# Altium PCB 4G_V4.0_5X4.PcbDoc (part 4 of 4)
Units mm, origin at the board's own origin, x right, y up, seen from the top; angles counter-clockwise.
Board outline 189.75 x 201.25 mm, 2 copper layers (Top Layer, Bottom Layer); 760 components, 0 nets, 5752 pads, 780 vias.
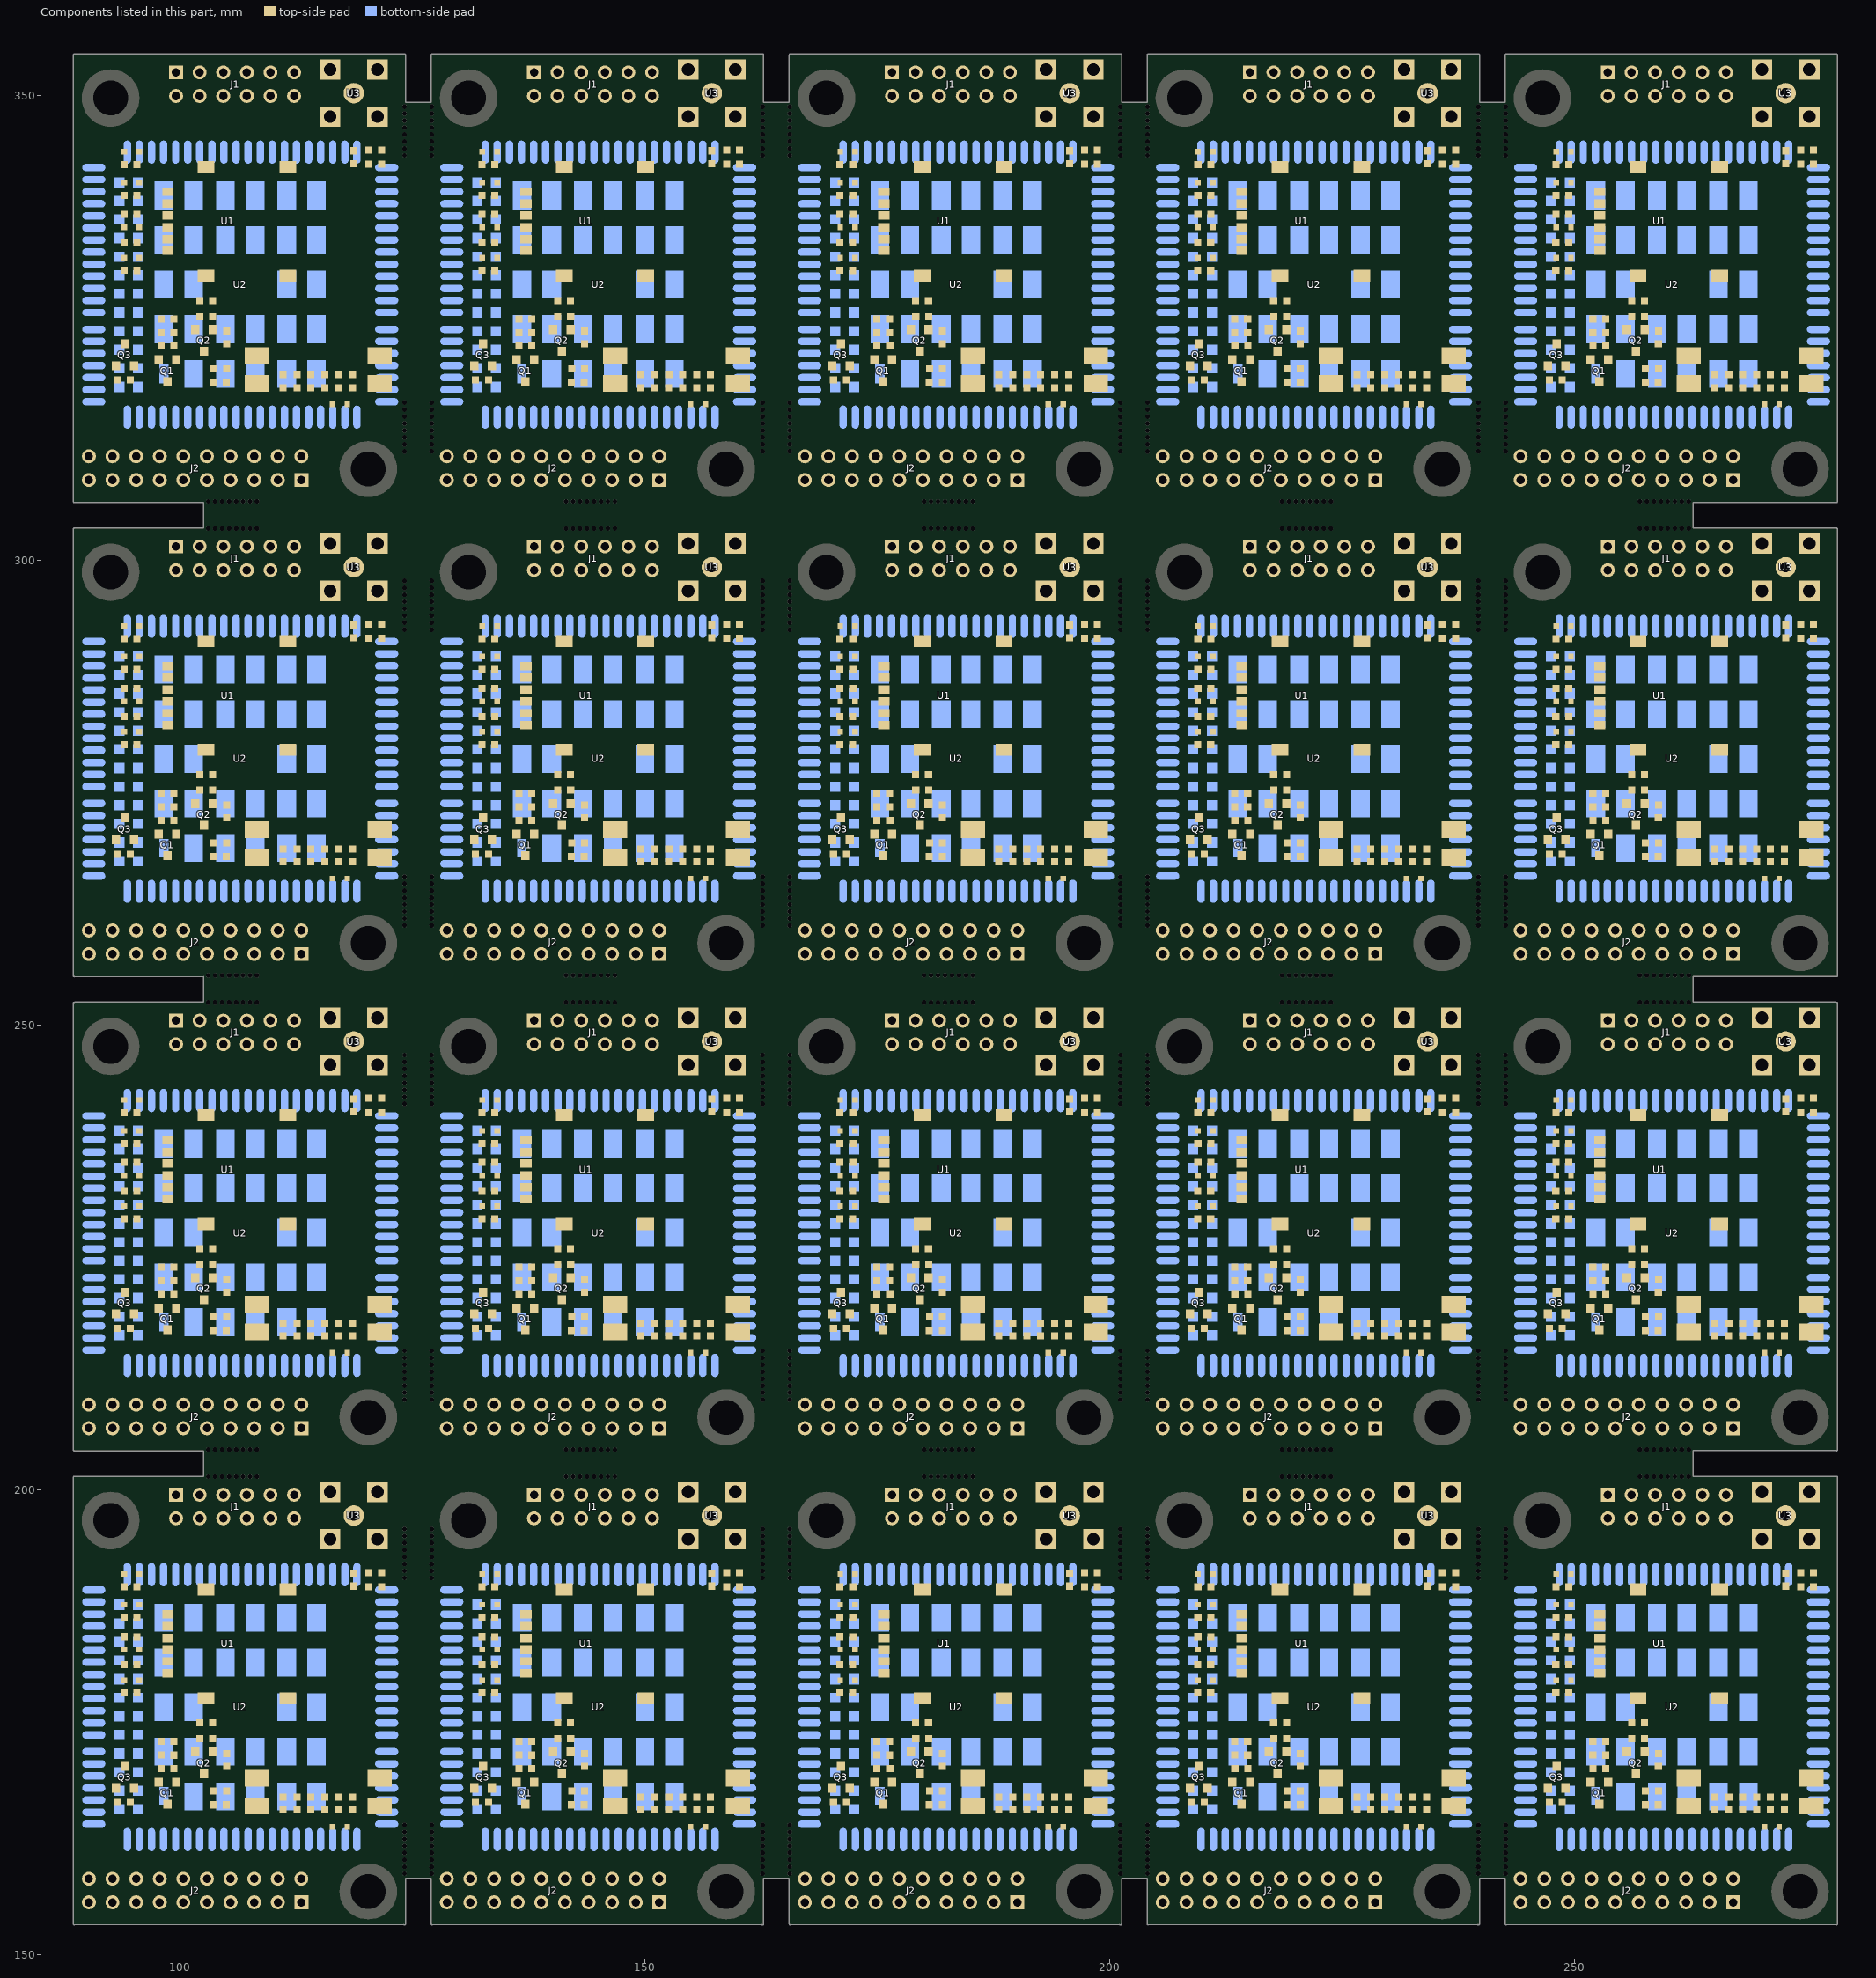
[diagram p4: the components of this part, seen from the top]

## Via types
v1: diameter 0.5, hole 0.3, Top Layer to Bottom Layer, tented both sides, 720 vias
v2: diameter 0.9, hole 0.7, Top Layer to Bottom Layer, tented both sides, 40 vias
v3: diameter 0.7, hole 0.5, Top Layer to Bottom Layer, tented both sides, 20 vias

## Nets (pads, with @x,y where several pads share a name; then routed paths per layer and width w, separated by ;. In a path a pad name is that pad's centre, name@x,y a point inside that pad or via, vN(x,y) a via of type N, cw(c..) or ccw(c..) an arc to the next point about the centre after c; other vN are vias at no path point) (continued)
copper on no net: (continued)
  Top Layer w0.7: 104.981,170.249 105.033,170.197 105.033,167.569 105.922,167.569 107.522,165.969 108.31,165.969 108.741,165.537 111.104,165.537 112.602,165.537 114.101,165.537 115.599,165.537 117.098,165.537 118.597,165.537 121.086,165.537 121.518,165.969 ; 104.981,221.249 105.033,221.197 105.033,218.569 105.922,218.569 107.522,216.969 108.31,216.969 108.741,216.537 111.104,216.537 112.602,216.537 114.101,216.537 115.599,216.537 117.098,216.537 118.597,216.537 121.086,216.537 121.518,216.969 ; 104.981,272.249 105.033,272.197 105.033,269.569 105.922,269.569 107.522,267.969 108.31,267.969 108.741,267.537 111.104,267.537 112.602,267.537 114.101,267.537 115.599,267.537 117.098,267.537 118.597,267.537 121.086,267.537 121.518,267.969 ; 104.981,323.249 105.033,323.197 105.033,320.569 105.922,320.569 107.522,318.969 108.31,318.969 108.741,318.537 111.104,318.537 112.602,318.537 114.101,318.537 115.599,318.537 117.098,318.537 118.597,318.537 121.086,318.537 121.518,318.969 ; 113.085,155.606 110.545,155.606 110.545,158.146 113.085,158.146 113.856,158.917 v2(113.856,164.201) ; 113.085,206.606 110.545,206.606 110.545,209.146 113.085,209.146 113.856,209.917 v2(113.856,215.201) ; 113.085,257.606 110.545,257.606 110.545,260.146 113.085,260.146 113.856,260.917 v2(113.856,266.201) ; 113.085,308.606 110.545,308.606 110.545,311.146 113.085,311.146 113.856,311.917 v2(113.856,317.201) ; v2(115.156,164.203) 115.625,163.734 116.425,163.734 ; v2(115.156,215.203) 115.625,214.734 116.425,214.734 ; v2(115.156,266.203) 115.625,265.734 116.425,265.734 ; v2(115.156,317.203) 115.625,316.734 116.425,316.734 ; 143.481,170.249 143.533,170.197 143.533,167.569 144.422,167.569 146.022,165.969 146.81,165.969 147.241,165.537 149.604,165.537 151.102,165.537 152.601,165.537 154.099,165.537 155.598,165.537 157.097,165.537 159.586,165.537 160.018,165.969 ; 143.481,221.249 143.533,221.197 143.533,218.569 144.422,218.569 146.022,216.969 146.81,216.969 147.241,216.537 149.604,216.537 151.102,216.537 152.601,216.537 154.099,216.537 155.598,216.537 157.097,216.537 159.586,216.537 160.018,216.969 ; 143.481,272.249 143.533,272.197 143.533,269.569 144.422,269.569 146.022,267.969 146.81,267.969 147.241,267.537 149.604,267.537 151.102,267.537 152.601,267.537 154.099,267.537 155.598,267.537 157.097,267.537 159.586,267.537 160.018,267.969 ; 143.481,323.249 143.533,323.197 143.533,320.569 144.422,320.569 146.022,318.969 146.81,318.969 147.241,318.537 149.604,318.537 151.102,318.537 152.601,318.537 154.099,318.537 155.598,318.537 157.097,318.537 159.586,318.537 160.018,318.969 ; 151.585,155.606 149.045,155.606 149.045,158.146 151.585,158.146 152.356,158.917 v2(152.356,164.201) ; 151.585,206.606 149.045,206.606 149.045,209.146 151.585,209.146 152.356,209.917 v2(152.356,215.201) ; 151.585,257.606 149.045,257.606 149.045,260.146 151.585,260.146 152.356,260.917 v2(152.356,266.201) ; 151.585,308.606 149.045,308.606 149.045,311.146 151.585,311.146 152.356,311.917 v2(152.356,317.201) ; v2(153.656,164.203) 154.125,163.734 154.925,163.734 ; v2(153.656,215.203) 154.125,214.734 154.925,214.734 ; v2(153.656,266.203) 154.125,265.734 154.925,265.734 ; v2(153.656,317.203) 154.125,316.734 154.925,316.734 ; 181.981,170.249 182.033,170.197 182.033,167.569 182.922,167.569 184.522,165.969 185.31,165.969 185.741,165.537 188.104,165.537 189.602,165.537 191.101,165.537 192.599,165.537 194.098,165.537 195.597,165.537 198.086,165.537 198.518,165.969 ; 181.981,221.249 182.033,221.197 182.033,218.569 182.922,218.569 184.522,216.969 185.31,216.969 185.741,216.537 188.104,216.537 189.602,216.537 191.101,216.537 192.599,216.537 194.098,216.537 195.597,216.537 198.086,216.537 198.518,216.969 ; 181.981,272.249 182.033,272.197 182.033,269.569 182.922,269.569 184.522,267.969 185.31,267.969 185.741,267.537 188.104,267.537 189.602,267.537 191.101,267.537 192.599,267.537 194.098,267.537 195.597,267.537 198.086,267.537 198.518,267.969 ; 181.981,323.249 182.033,323.197 182.033,320.569 182.922,320.569 184.522,318.969 185.31,318.969 185.741,318.537 188.104,318.537 189.602,318.537 191.101,318.537 192.599,318.537 194.098,318.537 195.597,318.537 198.086,318.537 198.518,318.969 ; 190.085,155.606 187.545,155.606 187.545,158.146 190.085,158.146 190.856,158.917 v2(190.856,164.201) ; 190.085,206.606 187.545,206.606 187.545,209.146 190.085,209.146 190.856,209.917 v2(190.856,215.201) ; 190.085,257.606 187.545,257.606 187.545,260.146 190.085,260.146 190.856,260.917 v2(190.856,266.201) ; 190.085,308.606 187.545,308.606 187.545,311.146 190.085,311.146 190.856,311.917 v2(190.856,317.201) ; v2(192.156,164.203) 192.625,163.734 193.425,163.734 ; v2(192.156,215.203) 192.625,214.734 193.425,214.734 ; v2(192.156,266.203) 192.625,265.734 193.425,265.734 ; v2(192.156,317.203) 192.625,316.734 193.425,316.734 ; 220.481,170.249 220.533,170.197 220.533,167.569 221.422,167.569 223.022,165.969 223.81,165.969 224.241,165.537 226.604,165.537 228.102,165.537 229.601,165.537 231.099,165.537 232.598,165.537 234.097,165.537 236.586,165.537 237.018,165.969 ; 220.481,221.249 220.533,221.197 220.533,218.569 221.422,218.569 223.022,216.969 223.81,216.969 224.241,216.537 226.604,216.537 228.102,216.537 229.601,216.537 231.099,216.537 232.598,216.537 234.097,216.537 236.586,216.537 237.018,216.969 ; 220.481,272.249 220.533,272.197 220.533,269.569 221.422,269.569 223.022,267.969 223.81,267.969 224.241,267.537 226.604,267.537 228.102,267.537 229.601,267.537 231.099,267.537 232.598,267.537 234.097,267.537 236.586,267.537 237.018,267.969 ; 220.481,323.249 220.533,323.197 220.533,320.569 221.422,320.569 223.022,318.969 223.81,318.969 224.241,318.537 226.604,318.537 228.102,318.537 229.601,318.537 231.099,318.537 232.598,318.537 234.097,318.537 236.586,318.537 237.018,318.969 ; 228.585,155.606 226.045,155.606 226.045,158.146 228.585,158.146 229.356,158.917 v2(229.356,164.201) ; 228.585,206.606 226.045,206.606 226.045,209.146 228.585,209.146 229.356,209.917 v2(229.356,215.201) ; 228.585,257.606 226.045,257.606 226.045,260.146 228.585,260.146 229.356,260.917 v2(229.356,266.201) ; 228.585,308.606 226.045,308.606 226.045,311.146 228.585,311.146 229.356,311.917 v2(229.356,317.201) ; v2(230.656,164.203) 231.125,163.734 231.925,163.734 ; v2(230.656,215.203) 231.125,214.734 231.925,214.734 ; v2(230.656,266.203) 231.125,265.734 231.925,265.734 ; v2(230.656,317.203) 231.125,316.734 231.925,316.734 ; 258.981,170.249 259.033,170.197 259.033,167.569 259.922,167.569 261.522,165.969 262.31,165.969 262.741,165.537 265.104,165.537 266.602,165.537 268.101,165.537 269.599,165.537 271.098,165.537 272.597,165.537 275.086,165.537 275.518,165.969 ; 258.981,221.249 259.033,221.197 259.033,218.569 259.922,218.569 261.522,216.969 262.31,216.969 262.741,216.537 265.104,216.537 266.602,216.537 268.101,216.537 269.599,216.537 271.098,216.537 272.597,216.537 275.086,216.537 275.518,216.969 ; 258.981,272.249 259.033,272.197 259.033,269.569 259.922,269.569 261.522,267.969 262.31,267.969 262.741,267.537 265.104,267.537 266.602,267.537 268.101,267.537 269.599,267.537 271.098,267.537 272.597,267.537 275.086,267.537 275.518,267.969 ; 258.981,323.249 259.033,323.197 259.033,320.569 259.922,320.569 261.522,318.969 262.31,318.969 262.741,318.537 265.104,318.537 266.602,318.537 268.101,318.537 269.599,318.537 271.098,318.537 272.597,318.537 275.086,318.537 275.518,318.969 ; 267.085,155.606 264.545,155.606 264.545,158.146 267.085,158.146 267.856,158.917 v2(267.856,164.201) ; 267.085,206.606 264.545,206.606 264.545,209.146 267.085,209.146 267.856,209.917 v2(267.856,215.201) ; 267.085,257.606 264.545,257.606 264.545,260.146 267.085,260.146 267.856,260.917 v2(267.856,266.201) ; 267.085,308.606 264.545,308.606 264.545,311.146 267.085,311.146 267.856,311.917 v2(267.856,317.201) ; v2(269.156,164.203) 269.625,163.734 270.425,163.734 ; v2(269.156,215.203) 269.625,214.734 270.425,214.734 ; v2(269.156,266.203) 269.625,265.734 270.425,265.734 ; v2(269.156,317.203) 269.625,316.734 270.425,316.734
  Bottom Layer w0.254: 90.756,178.812 91.815,178.812 v1(92.333,179.33) ; 90.756,184.012 91.664,184.012 v1(92.282,183.394) ; 90.756,185.312 91.761,185.312 v1(92.384,184.689) ; 90.756,186.612 v1(92.402,186.612) ; 90.756,187.912 91.746,187.912 v1(92.866,189.032) ; 90.756,229.812 91.815,229.812 v1(92.333,230.33) ; 90.756,235.012 91.664,235.012 v1(92.282,234.394) ; 90.756,236.312 91.761,236.312 v1(92.384,235.689) ; 90.756,237.612 v1(92.402,237.612) ; 90.756,238.912 91.746,238.912 v1(92.866,240.032) ; 90.756,280.812 91.815,280.812 v1(92.333,281.33) ; 90.756,286.012 91.664,286.012 v1(92.282,285.394) ; 90.756,287.312 91.761,287.312 v1(92.384,286.689) ; 90.756,288.612 v1(92.402,288.612) ; 90.756,289.912 91.746,289.912 v1(92.866,291.032) ; 90.756,331.812 91.815,331.812 v1(92.333,332.33) ; 90.756,337.012 91.664,337.012 v1(92.282,336.394) ; 90.756,338.312 91.761,338.312 v1(92.384,337.689) ; 90.756,339.612 v1(92.402,339.612) ; 90.756,340.912 91.746,340.912 v1(92.866,342.032) ; v1(99.556,189.144) 99.556,190.862 ; v1(99.556,240.144) 99.556,241.862 ; v1(99.556,291.144) 99.556,292.862 ; v1(99.556,342.144) 99.556,343.862 ; v1(100.994,164.598) 101.706,164.598 102.156,164.147 102.156,162.362 ; v1(100.994,215.598) 101.706,215.598 102.156,215.147 102.156,213.362 ; v1(100.994,266.598) 101.706,266.598 102.156,266.147 102.156,264.362 ; v1(100.994,317.598) 101.706,317.598 102.156,317.147 102.156,315.362 ; 103.456,162.362 v1(103.456,164.117) ; 103.456,213.362 v1(103.456,215.117) ; 103.456,264.362 v1(103.456,266.117) ; 103.456,315.362 v1(103.456,317.117) ; 111.256,162.362 v1(111.256,164.14) ; 111.256,213.362 v1(111.256,215.14) ; 111.256,264.362 v1(111.256,266.14) ; 111.256,315.362 v1(111.256,317.14) ; 129.256,178.812 130.315,178.812 v1(130.833,179.33) ; 129.256,184.012 130.164,184.012 v1(130.782,183.394) ; 129.256,185.312 130.261,185.312 v1(130.884,184.689) ; 129.256,186.612 v1(130.902,186.612) ; 129.256,187.912 130.246,187.912 v1(131.366,189.032) ; 129.256,229.812 130.315,229.812 v1(130.833,230.33) ; 129.256,235.012 130.164,235.012 v1(130.782,234.394) ; 129.256,236.312 130.261,236.312 v1(130.884,235.689) ; 129.256,237.612 v1(130.902,237.612) ; 129.256,238.912 130.246,238.912 v1(131.366,240.032) ; 129.256,280.812 130.315,280.812 v1(130.833,281.33) ; 129.256,286.012 130.164,286.012 v1(130.782,285.394) ; 129.256,287.312 130.261,287.312 v1(130.884,286.689) ; 129.256,288.612 v1(130.902,288.612) ; 129.256,289.912 130.246,289.912 v1(131.366,291.032) ; 129.256,331.812 130.315,331.812 v1(130.833,332.33) ; 129.256,337.012 130.164,337.012 v1(130.782,336.394) ; 129.256,338.312 130.261,338.312 v1(130.884,337.689) ; 129.256,339.612 v1(130.902,339.612) ; 129.256,340.912 130.246,340.912 v1(131.366,342.032) ; v1(138.056,189.144) 138.056,190.862 ; v1(138.056,240.144) 138.056,241.862 ; v1(138.056,291.144) 138.056,292.862 ; v1(138.056,342.144) 138.056,343.862 ; v1(139.494,164.598) 140.206,164.598 140.656,164.147 140.656,162.362 ; v1(139.494,215.598) 140.206,215.598 140.656,215.147 140.656,213.362 ; v1(139.494,266.598) 140.206,266.598 140.656,266.147 140.656,264.362 ; v1(139.494,317.598) 140.206,317.598 140.656,317.147 140.656,315.362 ; 141.956,162.362 v1(141.956,164.117) ; 141.956,213.362 v1(141.956,215.117) ; 141.956,264.362 v1(141.956,266.117) ; 141.956,315.362 v1(141.956,317.117) ; 149.756,162.362 v1(149.756,164.14) ; 149.756,213.362 v1(149.756,215.14) ; 149.756,264.362 v1(149.756,266.14) ; 149.756,315.362 v1(149.756,317.14) ; 167.756,178.812 168.815,178.812 v1(169.333,179.33) ; 167.756,184.012 168.664,184.012 v1(169.282,183.394) ; 167.756,185.312 168.761,185.312 v1(169.384,184.689) ; 167.756,186.612 v1(169.402,186.612) ; 167.756,187.912 168.746,187.912 v1(169.866,189.032) ; 167.756,229.812 168.815,229.812 v1(169.333,230.33) ; 167.756,235.012 168.664,235.012 v1(169.282,234.394) ; 167.756,236.312 168.761,236.312 v1(169.384,235.689) ; 167.756,237.612 v1(169.402,237.612) ; 167.756,238.912 168.746,238.912 v1(169.866,240.032) ; 167.756,280.812 168.815,280.812 v1(169.333,281.33) ; 167.756,286.012 168.664,286.012 v1(169.282,285.394) ; 167.756,287.312 168.761,287.312 v1(169.384,286.689) ; 167.756,288.612 v1(169.402,288.612) ; 167.756,289.912 168.746,289.912 v1(169.866,291.032) ; 167.756,331.812 168.815,331.812 v1(169.333,332.33) ; 167.756,337.012 168.664,337.012 v1(169.282,336.394) ; 167.756,338.312 168.761,338.312 v1(169.384,337.689) ; 167.756,339.612 v1(169.402,339.612) ; 167.756,340.912 168.746,340.912 v1(169.866,342.032) ; v1(176.556,189.144) 176.556,190.862 ; v1(176.556,240.144) 176.556,241.862 ; v1(176.556,291.144) 176.556,292.862 ; v1(176.556,342.144) 176.556,343.862 ; v1(177.994,164.598) 178.706,164.598 179.156,164.147 179.156,162.362 ; v1(177.994,215.598) 178.706,215.598 179.156,215.147 179.156,213.362 ; v1(177.994,266.598) 178.706,266.598 179.156,266.147 179.156,264.362 ; v1(177.994,317.598) 178.706,317.598 179.156,317.147 179.156,315.362 ; 180.456,162.362 v1(180.456,164.117) ; 180.456,213.362 v1(180.456,215.117) ; 180.456,264.362 v1(180.456,266.117) ; 180.456,315.362 v1(180.456,317.117) ; 188.256,162.362 v1(188.256,164.14) ; 188.256,213.362 v1(188.256,215.14) ; 188.256,264.362 v1(188.256,266.14) ; 188.256,315.362 v1(188.256,317.14) ; 206.256,178.812 207.315,178.812 v1(207.833,179.33) ; 206.256,184.012 207.164,184.012 v1(207.782,183.394) ; 206.256,185.312 207.261,185.312 v1(207.884,184.689) ; 206.256,186.612 v1(207.902,186.612) ; 206.256,187.912 207.246,187.912 v1(208.366,189.032) ; 206.256,229.812 207.315,229.812 v1(207.833,230.33) ; 206.256,235.012 207.164,235.012 v1(207.782,234.394) ; 206.256,236.312 207.261,236.312 v1(207.884,235.689) ; 206.256,237.612 v1(207.902,237.612) ; 206.256,238.912 207.246,238.912 v1(208.366,240.032) ; 206.256,280.812 207.315,280.812 v1(207.833,281.33) ; 206.256,286.012 207.164,286.012 v1(207.782,285.394) ; 206.256,287.312 207.261,287.312 v1(207.884,286.689) ; 206.256,288.612 v1(207.902,288.612) ; 206.256,289.912 207.246,289.912 v1(208.366,291.032) ; 206.256,331.812 207.315,331.812 v1(207.833,332.33) ; 206.256,337.012 207.164,337.012 v1(207.782,336.394) ; 206.256,338.312 207.261,338.312 v1(207.884,337.689) ; 206.256,339.612 v1(207.902,339.612) ; 206.256,340.912 207.246,340.912 v1(208.366,342.032) ; v1(215.056,189.144) 215.056,190.862 ; v1(215.056,240.144) 215.056,241.862 ; v1(215.056,291.144) 215.056,292.862 ; v1(215.056,342.144) 215.056,343.862 ; v1(216.494,164.598) 217.206,164.598 217.656,164.147 217.656,162.362 ; v1(216.494,215.598) 217.206,215.598 217.656,215.147 217.656,213.362 ; v1(216.494,266.598) 217.206,266.598 217.656,266.147 217.656,264.362 ; v1(216.494,317.598) 217.206,317.598 217.656,317.147 217.656,315.362 ; 218.956,162.362 v1(218.956,164.117) ; 218.956,213.362 v1(218.956,215.117) ; 218.956,264.362 v1(218.956,266.117) ; 218.956,315.362 v1(218.956,317.117) ; 226.756,162.362 v1(226.756,164.14) ; 226.756,213.362 v1(226.756,215.14) ; 226.756,264.362 v1(226.756,266.14) ; 226.756,315.362 v1(226.756,317.14) ; 244.756,178.812 245.815,178.812 v1(246.333,179.33) ; 244.756,184.012 245.664,184.012 v1(246.282,183.394) ; 244.756,185.312 245.761,185.312 v1(246.384,184.689) ; 244.756,186.612 v1(246.402,186.612) ; 244.756,187.912 245.746,187.912 v1(246.866,189.032) ; 244.756,229.812 245.815,229.812 v1(246.333,230.33) ; 244.756,235.012 245.664,235.012 v1(246.282,234.394) ; 244.756,236.312 245.761,236.312 v1(246.384,235.689) ; 244.756,237.612 v1(246.402,237.612) ; 244.756,238.912 245.746,238.912 v1(246.866,240.032) ; 244.756,280.812 245.815,280.812 v1(246.333,281.33) ; 244.756,286.012 245.664,286.012 v1(246.282,285.394) ; 244.756,287.312 245.761,287.312 v1(246.384,286.689) ; 244.756,288.612 v1(246.402,288.612) ; 244.756,289.912 245.746,289.912 v1(246.866,291.032) ; 244.756,331.812 245.815,331.812 v1(246.333,332.33) ; 244.756,337.012 245.664,337.012 v1(246.282,336.394) ; 244.756,338.312 245.761,338.312 v1(246.384,337.689) ; 244.756,339.612 v1(246.402,339.612) ; 244.756,340.912 245.746,340.912 v1(246.866,342.032) ; v1(253.556,189.144) 253.556,190.862 ; v1(253.556,240.144) 253.556,241.862 ; v1(253.556,291.144) 253.556,292.862 ; v1(253.556,342.144) 253.556,343.862 ; v1(254.994,164.598) 255.706,164.598 256.156,164.147 256.156,162.362 ; v1(254.994,215.598) 255.706,215.598 256.156,215.147 256.156,213.362 ; v1(254.994,266.598) 255.706,266.598 256.156,266.147 256.156,264.362 ; v1(254.994,317.598) 255.706,317.598 256.156,317.147 256.156,315.362 ; 257.456,162.362 v1(257.456,164.117) ; 257.456,213.362 v1(257.456,215.117) ; 257.456,264.362 v1(257.456,266.117) ; 257.456,315.362 v1(257.456,317.117) ; 265.256,162.362 v1(265.256,164.14) ; 265.256,213.362 v1(265.256,215.14) ; 265.256,264.362 v1(265.256,266.14) ; 265.256,315.362 v1(265.256,317.14)
  Bottom Layer w0.3: 90.756,171.812 91.419,171.812 v1(92.206,172.599) ; 90.756,222.812 91.419,222.812 v1(92.206,223.599) ; 90.756,273.812 91.419,273.812 v1(92.206,274.599) ; 90.756,324.812 91.419,324.812 v1(92.206,325.599) ; 129.256,171.812 129.919,171.812 v1(130.706,172.599) ; 129.256,222.812 129.919,222.812 v1(130.706,223.599) ; 129.256,273.812 129.919,273.812 v1(130.706,274.599) ; 129.256,324.812 129.919,324.812 v1(130.706,325.599) ; 167.756,171.812 168.419,171.812 v1(169.206,172.599) ; 167.756,222.812 168.419,222.812 v1(169.206,223.599) ; 167.756,273.812 168.419,273.812 v1(169.206,274.599) ; 167.756,324.812 168.419,324.812 v1(169.206,325.599) ; 206.256,171.812 206.919,171.812 v1(207.706,172.599) ; 206.256,222.812 206.919,222.812 v1(207.706,223.599) ; 206.256,273.812 206.919,273.812 v1(207.706,274.599) ; 206.256,324.812 206.919,324.812 v1(207.706,325.599) ; 244.756,171.812 245.419,171.812 v1(246.206,172.599) ; 244.756,222.812 245.419,222.812 v1(246.206,223.599) ; 244.756,273.812 245.419,273.812 v1(246.206,274.599) ; 244.756,324.812 245.419,324.812 v1(246.206,325.599)
  Bottom Layer w0.5: v3(118.7,188.294) 118.7,171.403 119.587,170.516 122.252,170.516 122.256,170.512 ; v3(118.7,239.294) 118.7,222.403 119.587,221.516 122.252,221.516 122.256,221.512 ; v3(118.7,290.294) 118.7,273.403 119.587,272.516 122.252,272.516 122.256,272.512 ; v3(118.7,341.294) 118.7,324.403 119.587,323.516 122.252,323.516 122.256,323.512 ; v3(157.2,188.294) 157.2,171.403 158.087,170.516 160.752,170.516 160.756,170.512 ; v3(157.2,239.294) 157.2,222.403 158.087,221.516 160.752,221.516 160.756,221.512 ; v3(157.2,290.294) 157.2,273.403 158.087,272.516 160.752,272.516 160.756,272.512 ; v3(157.2,341.294) 157.2,324.403 158.087,323.516 160.752,323.516 160.756,323.512 ; v3(195.7,188.294) 195.7,171.403 196.587,170.516 199.252,170.516 199.256,170.512 ; v3(195.7,239.294) 195.7,222.403 196.587,221.516 199.252,221.516 199.256,221.512 ; v3(195.7,290.294) 195.7,273.403 196.587,272.516 199.252,272.516 199.256,272.512 ; v3(195.7,341.294) 195.7,324.403 196.587,323.516 199.252,323.516 199.256,323.512 ; v3(234.2,188.294) 234.2,171.403 235.087,170.516 237.752,170.516 237.756,170.512 ; v3(234.2,239.294) 234.2,222.403 235.087,221.516 237.752,221.516 237.756,221.512 ; v3(234.2,290.294) 234.2,273.403 235.087,272.516 237.752,272.516 237.756,272.512 ; v3(234.2,341.294) 234.2,324.403 235.087,323.516 237.752,323.516 237.756,323.512 ; v3(272.7,188.294) 272.7,171.403 273.587,170.516 276.252,170.516 276.256,170.512 ; v3(272.7,239.294) 272.7,222.403 273.587,221.516 276.252,221.516 276.256,221.512 ; v3(272.7,290.294) 272.7,273.403 273.587,272.516 276.252,272.516 276.256,272.512 ; v3(272.7,341.294) 272.7,324.403 273.587,323.516 276.252,323.516 276.256,323.512
  Bottom Layer w0.7: 113.856,162.362 v2(113.856,164.201) ; 113.856,213.362 v2(113.856,215.201) ; 113.856,264.362 v2(113.856,266.201) ; 113.856,315.362 v2(113.856,317.201) ; 115.156,162.362 v2(115.156,164.203) ; 115.156,213.362 v2(115.156,215.203) ; 115.156,264.362 v2(115.156,266.203) ; 115.156,315.362 v2(115.156,317.203) ; 152.356,162.362 v2(152.356,164.201) ; 152.356,213.362 v2(152.356,215.201) ; 152.356,264.362 v2(152.356,266.201) ; 152.356,315.362 v2(152.356,317.201) ; 153.656,162.362 v2(153.656,164.203) ; 153.656,213.362 v2(153.656,215.203) ; 153.656,264.362 v2(153.656,266.203) ; 153.656,315.362 v2(153.656,317.203) ; 190.856,162.362 v2(190.856,164.201) ; 190.856,213.362 v2(190.856,215.201) ; 190.856,264.362 v2(190.856,266.201) ; 190.856,315.362 v2(190.856,317.201) ; 192.156,162.362 v2(192.156,164.203) ; 192.156,213.362 v2(192.156,215.203) ; 192.156,264.362 v2(192.156,266.203) ; 192.156,315.362 v2(192.156,317.203) ; 229.356,162.362 v2(229.356,164.201) ; 229.356,213.362 v2(229.356,215.201) ; 229.356,264.362 v2(229.356,266.201) ; 229.356,315.362 v2(229.356,317.201) ; 230.656,162.362 v2(230.656,164.203) ; 230.656,213.362 v2(230.656,215.203) ; 230.656,264.362 v2(230.656,266.203) ; 230.656,315.362 v2(230.656,317.203) ; 267.856,162.362 v2(267.856,164.201) ; 267.856,213.362 v2(267.856,215.201) ; 267.856,264.362 v2(267.856,266.201) ; 267.856,315.362 v2(267.856,317.201) ; 269.156,162.362 v2(269.156,164.203) ; 269.156,213.362 v2(269.156,215.203) ; 269.156,264.362 v2(269.156,266.203) ; 269.156,315.362 v2(269.156,317.203)
  other v1: 117.301,171.058 155.801,171.058 194.301,171.058 232.801,171.058 271.301,171.058 117.301,172.558 120.171,172.558 155.801,172.558 158.671,172.558 194.301,172.558 197.171,172.558 232.801,172.558 235.671,172.558 271.301,172.558 274.171,172.558 117.301,174.058 120.171,174.058 155.801,174.058 158.671,174.058 194.301,174.058 197.171,174.058 232.801,174.058 235.671,174.058 271.301,174.058 274.171,174.058 117.301,175.558 120.171,175.558 155.801,175.558 158.671,175.558 194.301,175.558 197.171,175.558 232.801,175.558 235.671,175.558 271.301,175.558 274.171,175.558 117.301,177.058 120.171,177.058 155.801,177.058 158.671,177.058 194.301,177.058 197.171,177.058 232.801,177.058 235.671,177.058 271.301,177.058 274.171,177.058 117.301,178.558 120.171,178.558 155.801,178.558 158.671,178.558 194.301,178.558 197.171,178.558 232.801,178.558 235.671,178.558 271.301,178.558 274.171,178.558 96.981,178.974 135.481,178.974 173.981,178.974 212.481,178.974 250.981,178.974 117.301,180.058 120.171,180.058 155.801,180.058 158.671,180.058 194.301,180.058 197.171,180.058 232.801,180.058 235.671,180.058 271.301,180.058 274.171,180.058 117.301,181.558 120.171,181.558 155.801,181.558 158.671,181.558 194.301,181.558 197.171,181.558 232.801,181.558 235.671,181.558 271.301,181.558 274.171,181.558 117.301,183.058 120.171,183.058 155.801,183.058 158.671,183.058 194.301,183.058 197.171,183.058 232.801,183.058 235.671,183.058 271.301,183.058 274.171,183.058 96.93,183.724 135.43,183.724 173.93,183.724 212.43,183.724 250.93,183.724 117.301,184.558 120.171,184.558 155.801,184.558 158.671,184.558 194.301,184.558 197.171,184.558 232.801,184.558 235.671,184.558 271.301,184.558 274.171,184.558 117.301,186.058 120.171,186.058 155.801,186.058 158.671,186.058 194.301,186.058 197.171,186.058 232.801,186.058 235.671,186.058 271.301,186.058 274.171,186.058 117.301,187.558 120.171,187.558 155.801,187.558 158.671,187.558 194.301,187.558 197.171,187.558 232.801,187.558 235.671,187.558 271.301,187.558 274.171,187.558 117.301,189.058 155.801,189.058 194.301,189.058 232.801,189.058 271.301,189.058 117.301,222.058 155.801,222.058 194.301,222.058 232.801,222.058 271.301,222.058 117.301,223.558 120.171,223.558 155.801,223.558 158.671,223.558 194.301,223.558 197.171,223.558 232.801,223.558 235.671,223.558 271.301,223.558 274.171,223.558 117.301,225.058 120.171,225.058 155.801,225.058 158.671,225.058 194.301,225.058 197.171,225.058 232.801,225.058 235.671,225.058 271.301,225.058 274.171,225.058 117.301,226.558 120.171,226.558 155.801,226.558 158.671,226.558 194.301,226.558 197.171,226.558 232.801,226.558 235.671,226.558 271.301,226.558 274.171,226.558 117.301,228.058 120.171,228.058 155.801,228.058 158.671,228.058 194.301,228.058 197.171,228.058 232.801,228.058 235.671,228.058 271.301,228.058 274.171,228.058 117.301,229.558 120.171,229.558 155.801,229.558 158.671,229.558 194.301,229.558 197.171,229.558 232.801,229.558 235.671,229.558 271.301,229.558 274.171,229.558 96.981,229.974 135.481,229.974 173.981,229.974 212.481,229.974 250.981,229.974 117.301,231.058 120.171,231.058 155.801,231.058 158.671,231.058 194.301,231.058 197.171,231.058 232.801,231.058 235.671,231.058 271.301,231.058 274.171,231.058 117.301,232.558 120.171,232.558 155.801,232.558 158.671,232.558 194.301,232.558 197.171,232.558 232.801,232.558 235.671,232.558 271.301,232.558 274.171,232.558 117.301,234.058 120.171,234.058 155.801,234.058 158.671,234.058 194.301,234.058 197.171,234.058 232.801,234.058 235.671,234.058 271.301,234.058 274.171,234.058 96.93,234.724 135.43,234.724 173.93,234.724 212.43,234.724 250.93,234.724 117.301,235.558 120.171,235.558 155.801,235.558 158.671,235.558 194.301,235.558 197.171,235.558 232.801,235.558 235.671,235.558 271.301,235.558 274.171,235.558 117.301,237.058 120.171,237.058 155.801,237.058 158.671,237.058 194.301,237.058 197.171,237.058 232.801,237.058 235.671,237.058 271.301,237.058 274.171,237.058 117.301,238.558 120.171,238.558 155.801,238.558 158.671,238.558 194.301,238.558 197.171,238.558 232.801,238.558 235.671,238.558 271.301,238.558 274.171,238.558 117.301,240.058 155.801,240.058 194.301,240.058 232.801,240.058 271.301,240.058 117.301,273.058 155.801,273.058 194.301,273.058 232.801,273.058 271.301,273.058 117.301,274.558 120.171,274.558 155.801,274.558 158.671,274.558 194.301,274.558 197.171,274.558 232.801,274.558 235.671,274.558 271.301,274.558 274.171,274.558 117.301,276.058 120.171,276.058 155.801,276.058 158.671,276.058 194.301,276.058 197.171,276.058 232.801,276.058 235.671,276.058 271.301,276.058 274.171,276.058 117.301,277.558 120.171,277.558 155.801,277.558 158.671,277.558 194.301,277.558 197.171,277.558 232.801,277.558 235.671,277.558 271.301,277.558 274.171,277.558 117.301,279.058 120.171,279.058 155.801,279.058 158.671,279.058 194.301,279.058 197.171,279.058 232.801,279.058 235.671,279.058 271.301,279.058 274.171,279.058 117.301,280.558 120.171,280.558 155.801,280.558 158.671,280.558 194.301,280.558 197.171,280.558 232.801,280.558 235.671,280.558 271.301,280.558 274.171,280.558 96.981,280.974 135.481,280.974 173.981,280.974 212.481,280.974 250.981,280.974 117.301,282.058 120.171,282.058 155.801,282.058 158.671,282.058 194.301,282.058 197.171,282.058 232.801,282.058 235.671,282.058 271.301,282.058 274.171,282.058 117.301,283.558 120.171,283.558 155.801,283.558 158.671,283.558 194.301,283.558 197.171,283.558 232.801,283.558 235.671,283.558 271.301,283.558 274.171,283.558 117.301,285.058 120.171,285.058 155.801,285.058 158.671,285.058 194.301,285.058 197.171,285.058 232.801,285.058 235.671,285.058 271.301,285.058 274.171,285.058 96.93,285.724 135.43,285.724 173.93,285.724 212.43,285.724 250.93,285.724 117.301,286.558 120.171,286.558 155.801,286.558 158.671,286.558 194.301,286.558 197.171,286.558 232.801,286.558 235.671,286.558 271.301,286.558 274.171,286.558 117.301,288.058 120.171,288.058 155.801,288.058 158.671,288.058 194.301,288.058 197.171,288.058 232.801,288.058 235.671,288.058 271.301,288.058 274.171,288.058 117.301,289.558 120.171,289.558 155.801,289.558 158.671,289.558 194.301,289.558 197.171,289.558 232.801,289.558 235.671,289.558 271.301,289.558 274.171,289.558 117.301,291.058 155.801,291.058 194.301,291.058 232.801,291.058 271.301,291.058 117.301,324.058 155.801,324.058 194.301,324.058 232.801,324.058 271.301,324.058 117.301,325.558 120.171,325.558 155.801,325.558 158.671,325.558 194.301,325.558 197.171,325.558 232.801,325.558 235.671,325.558 271.301,325.558 274.171,325.558 117.301,327.058 120.171,327.058 155.801,327.058 158.671,327.058 194.301,327.058 197.171,327.058 232.801,327.058 235.671,327.058 271.301,327.058 274.171,327.058 117.301,328.558 120.171,328.558 155.801,328.558 158.671,328.558 194.301,328.558 197.171,328.558 232.801,328.558 235.671,328.558 271.301,328.558 274.171,328.558 117.301,330.058 120.171,330.058 155.801,330.058 158.671,330.058 194.301,330.058 197.171,330.058 232.801,330.058 235.671,330.058 271.301,330.058 274.171,330.058 117.301,331.558 120.171,331.558 155.801,331.558 158.671,331.558 194.301,331.558 197.171,331.558 232.801,331.558 235.671,331.558 271.301,331.558 274.171,331.558 96.981,331.974 135.481,331.974 173.981,331.974 212.481,331.974 250.981,331.974 117.301,333.058 120.171,333.058 155.801,333.058 158.671,333.058 194.301,333.058 197.171,333.058 232.801,333.058 235.671,333.058 271.301,333.058 274.171,333.058 117.301,334.558 120.171,334.558 155.801,334.558 158.671,334.558 194.301,334.558 197.171,334.558 232.801,334.558 235.671,334.558 271.301,334.558 274.171,334.558 117.301,336.058 120.171,336.058 155.801,336.058 158.671,336.058 194.301,336.058 197.171,336.058 232.801,336.058 235.671,336.058 271.301,336.058 274.171,336.058 96.93,336.724 135.43,336.724 173.93,336.724 212.43,336.724 250.93,336.724 117.301,337.558 120.171,337.558 155.801,337.558 158.671,337.558 194.301,337.558 197.171,337.558 232.801,337.558 235.671,337.558 271.301,337.558 274.171,337.558 117.301,339.058 120.171,339.058 155.801,339.058 158.671,339.058 194.301,339.058 197.171,339.058 232.801,339.058 235.671,339.058 271.301,339.058 274.171,339.058 117.301,340.558 120.171,340.558 155.801,340.558 158.671,340.558 194.301,340.558 197.171,340.558 232.801,340.558 235.671,340.558 271.301,340.558 274.171,340.558 117.301,342.058 155.801,342.058 194.301,342.058 232.801,342.058 271.301,342.058

## Polygon pours and split planes (outlines as drawn)
no net on Bottom Layer "GND" (solid, remove dead copper, pour order 4): 88.675,201.301 124.175,201.301 124.175,153.329 124.147,153.301 88.675,153.301
no net on Bottom Layer "GND" (solid, remove dead copper, pour order 4): 127.175,201.301 162.675,201.301 162.675,153.329 162.647,153.301 127.175,153.301
no net on Bottom Layer "GND" (solid, remove dead copper, pour order 4): 165.675,201.301 201.175,201.301 201.175,153.329 201.147,153.301 165.675,153.301
no net on Bottom Layer "GND" (solid, remove dead copper, pour order 4): 204.175,201.301 239.675,201.301 239.675,153.329 239.647,153.301 204.175,153.301
no net on Bottom Layer "GND" (solid, remove dead copper, pour order 4): 242.675,201.301 278.175,201.301 278.175,153.329 278.147,153.301 242.675,153.301
no net on Bottom Layer "GND" (solid, remove dead copper, pour order 4): 88.675,252.301 124.175,252.301 124.175,204.329 124.147,204.301 88.675,204.301
no net on Bottom Layer "GND" (solid, remove dead copper, pour order 4): 127.175,252.301 162.675,252.301 162.675,204.329 162.647,204.301 127.175,204.301
no net on Bottom Layer "GND" (solid, remove dead copper, pour order 4): 165.675,252.301 201.175,252.301 201.175,204.329 201.147,204.301 165.675,204.301
no net on Bottom Layer "GND" (solid, remove dead copper, pour order 4): 204.175,252.301 239.675,252.301 239.675,204.329 239.647,204.301 204.175,204.301
no net on Bottom Layer "GND" (solid, remove dead copper, pour order 4): 242.675,252.301 278.175,252.301 278.175,204.329 278.147,204.301 242.675,204.301
no net on Bottom Layer "GND" (solid, remove dead copper, pour order 4): 88.675,303.301 124.175,303.301 124.175,255.329 124.147,255.301 88.675,255.301
no net on Bottom Layer "GND" (solid, remove dead copper, pour order 4): 127.175,303.301 162.675,303.301 162.675,255.329 162.647,255.301 127.175,255.301
no net on Bottom Layer "GND" (solid, remove dead copper, pour order 4): 165.675,303.301 201.175,303.301 201.175,255.329 201.147,255.301 165.675,255.301
no net on Bottom Layer "GND" (solid, remove dead copper, pour order 4): 204.175,303.301 239.675,303.301 239.675,255.329 239.647,255.301 204.175,255.301
no net on Bottom Layer "GND" (solid, remove dead copper, pour order 4): 242.675,303.301 278.175,303.301 278.175,255.329 278.147,255.301 242.675,255.301
no net on Bottom Layer "GND" (solid, remove dead copper, pour order 4): 88.675,354.301 124.175,354.301 124.175,306.329 124.147,306.301 88.675,306.301
no net on Bottom Layer "GND" (solid, remove dead copper, pour order 4): 127.175,354.301 162.675,354.301 162.675,306.329 162.647,306.301 127.175,306.301
no net on Bottom Layer "GND" (solid, remove dead copper, pour order 4): 165.675,354.301 201.175,354.301 201.175,306.329 201.147,306.301 165.675,306.301
no net on Bottom Layer "GND" (solid, remove dead copper, pour order 4): 204.175,354.301 239.675,354.301 239.675,306.329 239.647,306.301 204.175,306.301
no net on Bottom Layer "GND" (solid, remove dead copper, pour order 4): 242.675,354.301 278.175,354.301 278.175,306.329 278.147,306.301 242.675,306.301
no net on Top Layer "GND" (solid, remove dead copper, pour order 3): 88.675,201.301 124.175,201.301 124.175,153.329 124.147,153.301 88.675,153.301
no net on Top Layer "GND" (solid, remove dead copper, pour order 3): 127.175,201.301 162.675,201.301 162.675,153.329 162.647,153.301 127.175,153.301
no net on Top Layer "GND" (solid, remove dead copper, pour order 3): 165.675,201.301 201.175,201.301 201.175,153.329 201.147,153.301 165.675,153.301
no net on Top Layer "GND" (solid, remove dead copper, pour order 3): 204.175,201.301 239.675,201.301 239.675,153.329 239.647,153.301 204.175,153.301
no net on Top Layer "GND" (solid, remove dead copper, pour order 3): 242.675,201.301 278.175,201.301 278.175,153.329 278.147,153.301 242.675,153.301
no net on Top Layer "GND" (solid, remove dead copper, pour order 3): 88.675,252.301 124.175,252.301 124.175,204.329 124.147,204.301 88.675,204.301
no net on Top Layer "GND" (solid, remove dead copper, pour order 3): 127.175,252.301 162.675,252.301 162.675,204.329 162.647,204.301 127.175,204.301
no net on Top Layer "GND" (solid, remove dead copper, pour order 3): 165.675,252.301 201.175,252.301 201.175,204.329 201.147,204.301 165.675,204.301
no net on Top Layer "GND" (solid, remove dead copper, pour order 3): 204.175,252.301 239.675,252.301 239.675,204.329 239.647,204.301 204.175,204.301
no net on Top Layer "GND" (solid, remove dead copper, pour order 3): 242.675,252.301 278.175,252.301 278.175,204.329 278.147,204.301 242.675,204.301
no net on Top Layer "GND" (solid, remove dead copper, pour order 3): 88.675,303.301 124.175,303.301 124.175,255.329 124.147,255.301 88.675,255.301
no net on Top Layer "GND" (solid, remove dead copper, pour order 3): 127.175,303.301 162.675,303.301 162.675,255.329 162.647,255.301 127.175,255.301
no net on Top Layer "GND" (solid, remove dead copper, pour order 3): 165.675,303.301 201.175,303.301 201.175,255.329 201.147,255.301 165.675,255.301
no net on Top Layer "GND" (solid, remove dead copper, pour order 3): 204.175,303.301 239.675,303.301 239.675,255.329 239.647,255.301 204.175,255.301
no net on Top Layer "GND" (solid, remove dead copper, pour order 3): 242.675,303.301 278.175,303.301 278.175,255.329 278.147,255.301 242.675,255.301
no net on Top Layer "GND" (solid, remove dead copper, pour order 3): 88.675,354.301 124.175,354.301 124.175,306.329 124.147,306.301 88.675,306.301
no net on Top Layer "GND" (solid, remove dead copper, pour order 3): 127.175,354.301 162.675,354.301 162.675,306.329 162.647,306.301 127.175,306.301
no net on Top Layer "GND" (solid, remove dead copper, pour order 3): 165.675,354.301 201.175,354.301 201.175,306.329 201.147,306.301 165.675,306.301
no net on Top Layer "GND" (solid, remove dead copper, pour order 3): 204.175,354.301 239.675,354.301 239.675,306.329 239.647,306.301 204.175,306.301
no net on Top Layer "GND" (solid, remove dead copper, pour order 3): 242.675,354.301 278.175,354.301 278.175,306.329 278.147,306.301 242.675,306.301

## Keep-outs
Keep-Out Layer:
  lines w0.254: 102.671,201.312 102.671,204.312 ; 102.671,252.312 102.671,255.312 ; 102.671,303.312 102.671,306.312 ; 108.64,201.312 108.64,204.312 ; 108.64,252.312 108.64,255.312 ; 108.64,303.312 108.64,306.312 ; 124.175,153.301 124.175,201.301 88.675,201.301 88.675,153.301 124.175,153.329 ; 124.175,158.298 127.175,158.298 ; 124.175,164.267 127.175,164.267 ; 124.175,190.125 127.175,190.125 ; 124.175,196.094 127.175,196.094 ; 124.175,204.301 124.175,252.301 88.675,252.301 88.675,204.301 124.175,204.329 ; 124.175,209.298 127.175,209.298 ; 124.175,215.267 127.175,215.267 ; 124.175,241.125 127.175,241.125 ; 124.175,247.094 127.175,247.094 ; 124.175,255.301 124.175,303.301 88.675,303.301 88.675,255.301 124.175,255.329 ; 124.175,260.298 127.175,260.298 ; 124.175,266.267 127.175,266.267 ; 124.175,292.125 127.175,292.125 ; 124.175,298.094 127.175,298.094 ; 124.175,306.301 124.175,354.301 88.675,354.301 88.675,306.301 124.175,306.329 ; 124.175,311.298 127.175,311.298 ; 124.175,317.267 127.175,317.267 ; 124.175,343.125 127.175,343.125 ; 124.175,349.094 127.175,349.094 ; 141.171,201.312 141.171,204.312 ; 141.171,252.312 141.171,255.312 ; 141.171,303.312 141.171,306.312 ; 147.14,201.312 147.14,204.312 ; 147.14,252.312 147.14,255.312 ; 147.14,303.312 147.14,306.312 ; 162.675,153.301 162.675,201.301 127.175,201.301 127.175,153.301 162.675,153.329 ; 162.675,158.298 165.675,158.298 ; 162.675,164.267 165.675,164.267 ; 162.675,190.125 165.675,190.125 ; 162.675,196.094 165.675,196.094 ; 162.675,204.301 162.675,252.301 127.175,252.301 127.175,204.301 162.675,204.329 ; 162.675,209.298 165.675,209.298 ; 162.675,215.267 165.675,215.267 ; 162.675,241.125 165.675,241.125 ; 162.675,247.094 165.675,247.094 ; 162.675,255.301 162.675,303.301 127.175,303.301 127.175,255.301 162.675,255.329 ; 162.675,260.298 165.675,260.298 ; 162.675,266.267 165.675,266.267 ; 162.675,292.125 165.675,292.125 ; 162.675,298.094 165.675,298.094 ; 162.675,306.301 162.675,354.301 127.175,354.301 127.175,306.301 162.675,306.329 ; 162.675,311.298 165.675,311.298 ; 162.675,317.267 165.675,317.267 ; 162.675,343.125 165.675,343.125 ; 162.675,349.094 165.675,349.094 ; 179.671,201.312 179.671,204.312 ; 179.671,252.312 179.671,255.312 ; 179.671,303.312 179.671,306.312 ; 185.64,201.312 185.64,204.312 ; 185.64,252.312 185.64,255.312 ; 185.64,303.312 185.64,306.312 ; 201.175,153.301 201.175,201.301 165.675,201.301 165.675,153.301 201.175,153.329 ; 201.175,158.298 204.175,158.298 ; 201.175,164.267 204.175,164.267 ; 201.175,190.125 204.175,190.125 ; 201.175,196.094 204.175,196.094 ; 201.175,204.301 201.175,252.301 165.675,252.301 165.675,204.301 201.175,204.329 ; 201.175,209.298 204.175,209.298 ; 201.175,215.267 204.175,215.267 ; 201.175,241.125 204.175,241.125 ; 201.175,247.094 204.175,247.094 ; 201.175,255.301 201.175,303.301 165.675,303.301 165.675,255.301 201.175,255.329 ; 201.175,260.298 204.175,260.298 ; 201.175,266.267 204.175,266.267 ; 201.175,292.125 204.175,292.125 ; 201.175,298.094 204.175,298.094 ; 201.175,306.301 201.175,354.301 165.675,354.301 165.675,306.301 201.175,306.329 ; 201.175,311.298 204.175,311.298 ; 201.175,317.267 204.175,317.267 ; 201.175,343.125 204.175,343.125 ; 201.175,349.094 204.175,349.094 ; 218.171,201.312 218.171,204.312 ; 218.171,252.312 218.171,255.312 ; 218.171,303.312 218.171,306.312 ; 224.14,201.312 224.14,204.312 ; 224.14,252.312 224.14,255.312 ; 224.14,303.312 224.14,306.312 ; 239.675,153.301 239.675,201.301 204.175,201.301 204.175,153.301 239.675,153.329 ; 239.675,158.298 242.675,158.298 ; 239.675,164.267 242.675,164.267 ; 239.675,190.125 242.675,190.125 ; 239.675,196.094 242.675,196.094 ; 239.675,204.301 239.675,252.301 204.175,252.301 204.175,204.301 239.675,204.329 ; 239.675,209.298 242.675,209.298 ; 239.675,215.267 242.675,215.267 ; 239.675,241.125 242.675,241.125 ; 239.675,247.094 242.675,247.094 ; 239.675,255.301 239.675,303.301 204.175,303.301 204.175,255.301 239.675,255.329 ; 239.675,260.298 242.675,260.298 ; 239.675,266.267 242.675,266.267 ; 239.675,292.125 242.675,292.125 ; 239.675,298.094 242.675,298.094 ; 239.675,306.301 239.675,354.301 204.175,354.301 204.175,306.301 239.675,306.329 ; 239.675,311.298 242.675,311.298 ; 239.675,317.267 242.675,317.267 ; 239.675,343.125 242.675,343.125 ; 239.675,349.094 242.675,349.094 ; 256.671,201.312 256.671,204.312 ; 256.671,252.312 256.671,255.312 ; 256.671,303.312 256.671,306.312 ; 262.64,201.312 262.64,204.312 ; 262.64,252.312 262.64,255.312 ; 262.64,303.312 262.64,306.312 ; 278.175,153.301 278.175,201.301 242.675,201.301 242.675,153.301 278.175,153.329 ; 278.175,204.301 278.175,252.301 242.675,252.301 242.675,204.301 278.175,204.329 ; 278.175,255.301 278.175,303.301 242.675,303.301 242.675,255.301 278.175,255.329 ; 278.175,306.301 278.175,354.301 242.675,354.301 242.675,306.301 278.175,306.329

## Other copper
Top Layer:
  rectangle: 113.288,163.683 115.676,165.588
  rectangle: 151.788,163.683 154.176,165.588
  rectangle: 190.288,163.683 192.676,165.588
  rectangle: 228.788,163.683 231.176,165.588
  rectangle: 267.288,163.683 269.676,165.588
  rectangle: 113.288,214.683 115.676,216.588
  rectangle: 151.788,214.683 154.176,216.588
  rectangle: 190.288,214.683 192.676,216.588
  rectangle: 228.788,214.683 231.176,216.588
  rectangle: 267.288,214.683 269.676,216.588
  rectangle: 113.288,265.683 115.676,267.588
  rectangle: 151.788,265.683 154.176,267.588
  rectangle: 190.288,265.683 192.676,267.588
  rectangle: 228.788,265.683 231.176,267.588
  rectangle: 267.288,265.683 269.676,267.588
  rectangle: 113.288,316.683 115.676,318.588
  rectangle: 151.788,316.683 154.176,318.588
  rectangle: 190.288,316.683 192.676,318.588
  rectangle: 228.788,316.683 231.176,318.588
  rectangle: 267.288,316.683 269.676,318.588
Bottom Layer:
  region: 116.565,163.099 112.348,163.099 112.348,161.575 116.565,161.575
  region: 155.065,163.099 150.848,163.099 150.848,161.575 155.065,161.575
  region: 193.565,163.099 189.348,163.099 189.348,161.575 193.565,161.575
  region: 232.065,163.099 227.848,163.099 227.848,161.575 232.065,161.575
  region: 270.565,163.099 266.348,163.099 266.348,161.575 270.565,161.575
  region: 116.565,214.099 112.348,214.099 112.348,212.575 116.565,212.575
  region: 155.065,214.099 150.848,214.099 150.848,212.575 155.065,212.575
  region: 193.565,214.099 189.348,214.099 189.348,212.575 193.565,212.575
  region: 232.065,214.099 227.848,214.099 227.848,212.575 232.065,212.575
  region: 270.565,214.099 266.348,214.099 266.348,212.575 270.565,212.575
  region: 116.565,265.099 112.348,265.099 112.348,263.575 116.565,263.575
  region: 155.065,265.099 150.848,265.099 150.848,263.575 155.065,263.575
  region: 193.565,265.099 189.348,265.099 189.348,263.575 193.565,263.575
  region: 232.065,265.099 227.848,265.099 227.848,263.575 232.065,263.575
  region: 270.565,265.099 266.348,265.099 266.348,263.575 270.565,263.575
  region: 116.565,316.099 112.348,316.099 112.348,314.575 116.565,314.575
  region: 155.065,316.099 150.848,316.099 150.848,314.575 155.065,314.575
  region: 193.565,316.099 189.348,316.099 189.348,314.575 193.565,314.575
  region: 232.065,316.099 227.848,316.099 227.848,314.575 232.065,314.575
  region: 270.565,316.099 266.348,316.099 266.348,314.575 270.565,314.575

## Silkscreen, mask and mechanical layers (free items; w line width, h text height)
Top Overlay:
  text "HEIM - V4.0" at 90.961,313.305 h3
  text "HEIM - V4.0" at 129.461,313.305 h3
  text "HEIM - V4.0" at 167.961,313.305 h3
  text "HEIM - V4.0" at 206.461,313.305 h3
  text "HEIM - V4.0" at 244.961,313.305 h3
  text "HEIM - V4.0" at 90.961,262.305 h3
  text "HEIM - V4.0" at 129.461,262.305 h3
  text "HEIM - V4.0" at 167.961,262.305 h3
  text "HEIM - V4.0" at 206.461,262.305 h3
  text "HEIM - V4.0" at 244.961,262.305 h3
  text "HEIM - V4.0" at 90.961,211.305 h3
  text "HEIM - V4.0" at 129.461,211.305 h3
  text "HEIM - V4.0" at 167.961,211.305 h3
  text "HEIM - V4.0" at 206.461,211.305 h3
  text "HEIM - V4.0" at 244.961,211.305 h3
  text "HEIM - V4.0" at 90.961,160.305 h3
  text "HEIM - V4.0" at 129.461,160.305 h3
  text "HEIM - V4.0" at 167.961,160.305 h3
  text "HEIM - V4.0" at 206.461,160.305 h3
  text "HEIM - V4.0" at 244.961,160.305 h3

## Dimensions
88.675,354.301 to 88.675,153.301 on Keep-Out Layer
88.675,354.301 to 278.175,354.301 on Keep-Out Layer

## Text inside footprints (layer, text, board x,y; h text height)
U1: Top Overlay "LOCK" at 108.837,188.469 h0.5 r180; Top Overlay "OPEN" at 108.837,178.741 h0.5 r180
U1: Top Overlay "LOCK" at 147.337,188.469 h0.5 r180; Top Overlay "OPEN" at 147.337,178.741 h0.5 r180
U1: Top Overlay "LOCK" at 185.837,188.469 h0.5 r180; Top Overlay "OPEN" at 185.837,178.741 h0.5 r180
U1: Top Overlay "LOCK" at 224.337,188.469 h0.5 r180; Top Overlay "OPEN" at 224.337,178.741 h0.5 r180
U1: Top Overlay "LOCK" at 262.837,188.469 h0.5 r180; Top Overlay "OPEN" at 262.837,178.741 h0.5 r180
U1: Top Overlay "LOCK" at 108.837,239.469 h0.5 r180; Top Overlay "OPEN" at 108.837,229.741 h0.5 r180
U1: Top Overlay "LOCK" at 147.337,239.469 h0.5 r180; Top Overlay "OPEN" at 147.337,229.741 h0.5 r180
U1: Top Overlay "LOCK" at 185.837,239.469 h0.5 r180; Top Overlay "OPEN" at 185.837,229.741 h0.5 r180
U1: Top Overlay "LOCK" at 224.337,239.469 h0.5 r180; Top Overlay "OPEN" at 224.337,229.741 h0.5 r180
U1: Top Overlay "LOCK" at 262.837,239.469 h0.5 r180; Top Overlay "OPEN" at 262.837,229.741 h0.5 r180
U1: Top Overlay "LOCK" at 108.837,290.469 h0.5 r180; Top Overlay "OPEN" at 108.837,280.741 h0.5 r180
U1: Top Overlay "LOCK" at 147.337,290.469 h0.5 r180; Top Overlay "OPEN" at 147.337,280.741 h0.5 r180
U1: Top Overlay "LOCK" at 185.837,290.469 h0.5 r180; Top Overlay "OPEN" at 185.837,280.741 h0.5 r180
U1: Top Overlay "LOCK" at 224.337,290.469 h0.5 r180; Top Overlay "OPEN" at 224.337,280.741 h0.5 r180
U1: Top Overlay "LOCK" at 262.837,290.469 h0.5 r180; Top Overlay "OPEN" at 262.837,280.741 h0.5 r180
U1: Top Overlay "LOCK" at 108.837,341.469 h0.5 r180; Top Overlay "OPEN" at 108.837,331.741 h0.5 r180
U1: Top Overlay "LOCK" at 147.337,341.469 h0.5 r180; Top Overlay "OPEN" at 147.337,331.741 h0.5 r180
U1: Top Overlay "LOCK" at 185.837,341.469 h0.5 r180; Top Overlay "OPEN" at 185.837,331.741 h0.5 r180
U1: Top Overlay "LOCK" at 224.337,341.469 h0.5 r180; Top Overlay "OPEN" at 224.337,331.741 h0.5 r180
U1: Top Overlay "LOCK" at 262.837,341.469 h0.5 r180; Top Overlay "OPEN" at 262.837,331.741 h0.5 r180